# KiCad board paws60.kicad_pcb (continued)
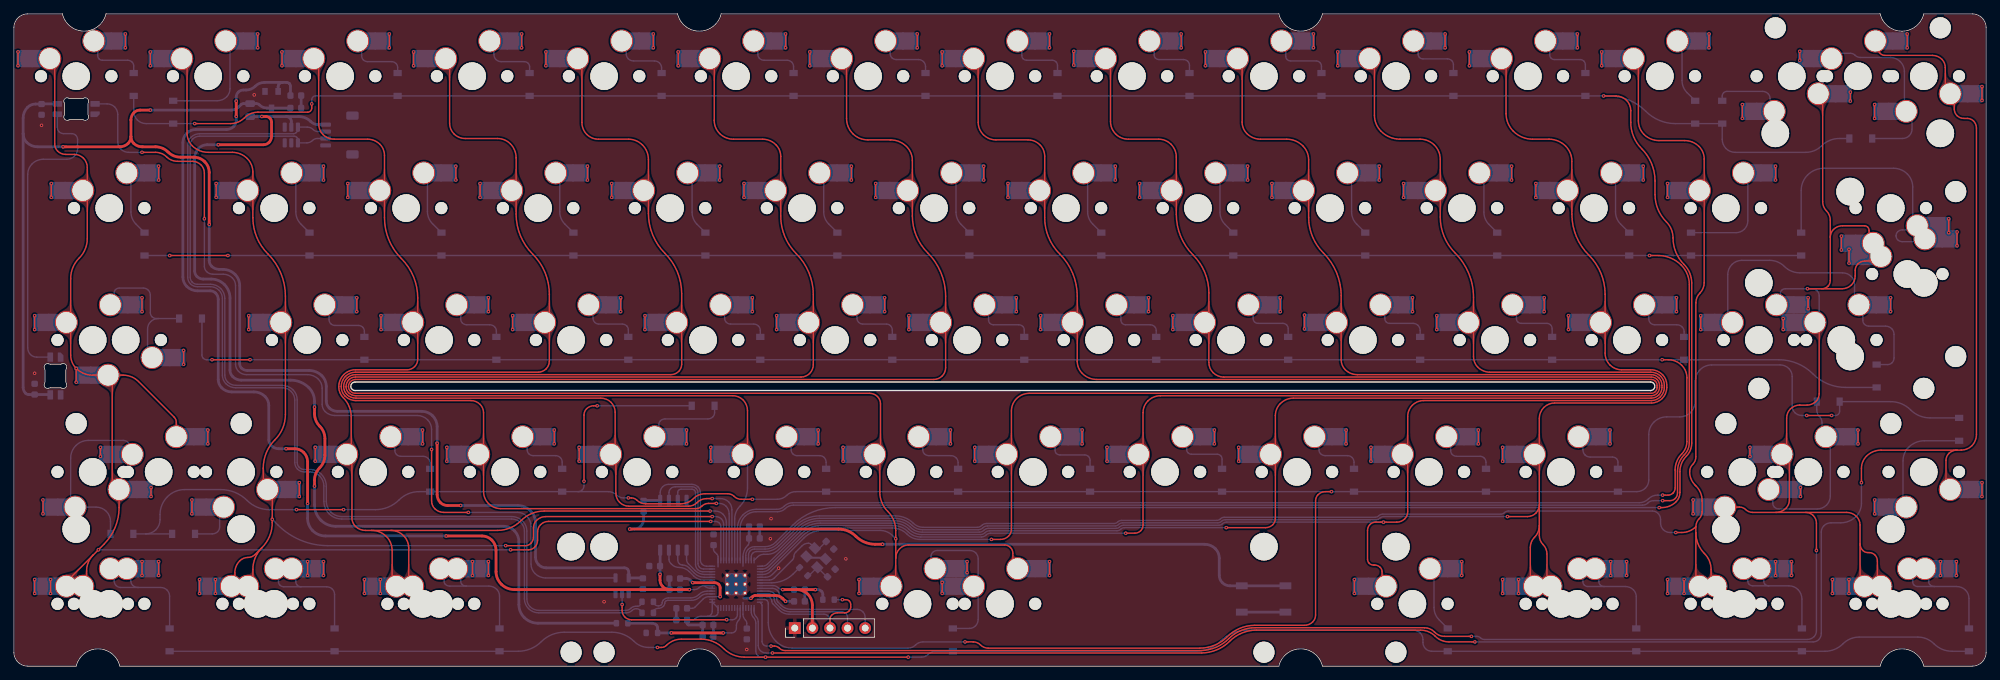
[diagram p0: board, top side]
## Copper pours and planes (outline as drawn; the poured copper is in the pictures) (continued)
Net-(D5-A) on Bottom: 88.5,88.39 88.53,88.66 88.62,88.84 88.75,88.97 88.9,89.11 89.07,89.31 87.74,90.28 87.23,88.71 87.53,88.67 87.81,88.69 88.06,88.7 88.23,88.63 88.3,88.39
Net-(D6-A) on Bottom: 107.5,88.31 107.54,88.6 107.63,88.8 107.77,88.94 107.94,89.1 108.12,89.31 106.79,90.28 106.28,88.71 106.57,88.66 106.84,88.66 107.08,88.65 107.24,88.55 107.3,88.31
Net-(D7-A) on Bottom: 126.6,88.45 126.63,88.7 126.72,88.86 126.85,88.99 127.01,89.12 127.17,89.31 125.84,90.28 125.33,88.71 125.62,88.68 125.91,88.71 126.16,88.73 126.33,88.67 126.4,88.45
Net-(D8-A) on Bottom: 145.6,88.17 145.63,88.49 145.72,88.71 145.86,88.89 146.03,89.07 146.22,89.31 144.89,90.28 143.92,88.95 144.31,88.77 144.71,88.72 145.06,88.67 145.3,88.53 145.4,88.17
Net-(D9-A) on Bottom: 164.7,88.27 164.73,88.56 164.81,88.77 164.94,88.93 165.09,89.09 165.27,89.31 163.94,90.28 163.43,88.71 163.73,88.66 164.02,88.65 164.27,88.63 164.44,88.52 164.5,88.27
Net-(D10-A) on Bottom: 183.7,88.06 183.76,88.52 183.93,88.84 184.14,89.09 184.37,89.37 184.56,89.77 182.99,90.28 182.02,88.95 182.42,88.76 182.81,88.68 183.16,88.61 183.41,88.44 183.5,88.06
Net-(D11-A) on Bottom: 202.8,88.37 202.83,88.64 202.92,88.82 203.05,88.97 203.2,89.11 203.37,89.31 202.04,90.28 201.53,88.71 201.83,88.67 202.11,88.69 202.36,88.69 202.53,88.61 202.6,88.37
Net-(D12-A) on Bottom: 221.8,88.27 221.83,88.57 221.93,88.77 222.07,88.93 222.24,89.09 222.42,89.31 221.09,90.28 220.58,88.71 220.87,88.66 221.14,88.65 221.38,88.62 221.54,88.52 221.6,88.27
Net-(D13-A) on Bottom: 240.9,87.14 240.95,87.83 241.07,88.32 241.26,88.73 241.48,89.17 241.71,89.77 240.14,90.28 238.81,89.3 239.3,88.81 239.81,88.5 240.26,88.22 240.58,87.81 240.7,87.14
Net-(D14-A) on Bottom: 253.4,82.02 253.36,81.75 253.27,81.57 253.12,81.43 252.95,81.29 252.78,81.09 254.11,80.12 254.62,81.69 254.34,81.73 254.06,81.71 253.83,81.71 253.66,81.79 253.6,82.02
Net-(D15-A) on Bottom: 265.11,88.6 264.52,88.64 264.1,88.76 263.76,88.92 263.38,89.11 262.87,89.31 262.36,87.74 263.7,86.77 263.96,87.24 264.13,87.68 264.31,88.05 264.6,88.31 265.11,88.4
Net-(D15-A) on Bottom: 274.1,77.56 274.14,78.1 274.24,78.48 274.38,78.8 274.55,79.15 274.73,79.61 273.16,80.12 272.19,78.79 272.66,78.54 273.12,78.42 273.52,78.29 273.8,78.04 273.9,77.56
Net-(D15-A) on Bottom: 272.8,83.38 272.72,82.65 272.51,82.15 272.22,81.74 271.91,81.29 271.61,80.67 273.16,80.12 274.49,81.09 274.06,81.58 273.66,81.93 273.32,82.27 273.09,82.71 273,83.38
Net-(D16-A) on Bottom: 17,68.06 17.05,68.76 17.19,69.25 17.4,69.67 17.63,70.12 17.87,70.72 16.3,71.23 14.97,70.26 15.45,69.77 15.94,69.44 16.37,69.15 16.68,68.73 16.8,68.06
Net-(D17-A) on Bottom: 40.8,68.05 40.85,68.75 41,69.25 41.2,69.66 41.44,70.11 41.68,70.72 40.12,71.23 38.78,70.26 39.26,69.77 39.75,69.44 40.18,69.14 40.48,68.73 40.6,68.05
Net-(D18-A) on Bottom: 59.8,68.02 59.86,68.73 60.01,69.24 60.23,69.65 60.48,70.11 60.73,70.72 59.17,71.23 57.83,70.26 58.3,69.76 58.78,69.43 59.2,69.13 59.49,68.7 59.6,68.02
Net-(D19-A) on Bottom: 78.9,68.05 78.95,68.75 79.1,69.25 79.3,69.66 79.54,70.11 79.78,70.72 78.22,71.23 76.88,70.26 77.36,69.77 77.85,69.44 78.28,69.14 78.58,68.73 78.7,68.05
Net-(D20-A) on Bottom: 98,68.07 98.05,68.77 98.18,69.26 98.37,69.67 98.6,70.12 98.83,70.72 97.27,71.23 95.93,70.26 96.42,69.77 96.92,69.45 97.36,69.16 97.68,68.75 97.8,68.07
Net-(D21-A) on Bottom: 117,68.05 117.05,68.75 117.2,69.25 117.4,69.66 117.64,70.11 117.88,70.72 116.32,71.23 114.98,70.26 115.46,69.77 115.95,69.44 116.38,69.14 116.68,68.73 116.8,68.05
Net-(D22-A) on Bottom: 136.1,68.07 136.15,68.77 136.28,69.26 136.47,69.67 136.7,70.12 136.93,70.72 135.37,71.23 134.03,70.26 134.52,69.77 135.02,69.45 135.46,69.16 135.78,68.75 135.9,68.07
Net-(D23-A) on Bottom: 155.1,68.05 155.15,68.75 155.3,69.25 155.5,69.66 155.74,70.11 155.98,70.72 154.42,71.23 153.08,70.26 153.56,69.77 154.05,69.44 154.48,69.14 154.78,68.73 154.9,68.05
Net-(D24-A) on Bottom: 174.2,68.07 174.25,68.77 174.38,69.26 174.57,69.67 174.8,70.12 175.03,70.72 173.47,71.23 172.13,70.26 172.62,69.77 173.12,69.45 173.56,69.16 173.88,68.75 174,68.07
Net-(D25-A) on Bottom: 193.2,68.05 193.25,68.75 193.4,69.25 193.6,69.66 193.84,70.11 194.08,70.72 192.52,71.23 191.18,70.26 191.66,69.77 192.15,69.44 192.58,69.14 192.88,68.73 193,68.05
Net-(D26-A) on Bottom: 212.3,68.07 212.35,68.77 212.48,69.26 212.67,69.67 212.9,70.12 213.13,70.72 211.57,71.23 210.23,70.26 210.72,69.77 211.22,69.45 211.66,69.16 211.98,68.75 212.1,68.07
Net-(D27-A) on Bottom: 231.3,68.05 231.35,68.75 231.5,69.25 231.7,69.66 231.94,70.11 232.18,70.72 230.62,71.23 229.28,70.26 229.76,69.77 230.25,69.44 230.68,69.14 230.98,68.73 231.1,68.05
Net-(D28-A) on Bottom: 250.4,68.07 250.45,68.77 250.58,69.26 250.77,69.67 251,70.12 251.23,70.72 249.67,71.23 248.33,70.26 248.82,69.77 249.32,69.45 249.76,69.16 250.08,68.75 250.2,68.07
Net-(D29-A) on Bottom: 274,66.76 273.95,66.07 273.82,65.57 273.63,65.16 273.41,64.72 273.18,64.12 274.75,63.61 276.08,64.58 275.59,65.07 275.09,65.39 274.64,65.67 274.32,66.08 274.2,66.76
Net-(D29-A) on Bottom: 272.59,62.9 272.92,62.87 273.15,62.78 273.34,62.65 273.53,62.48 273.78,62.28 274.75,63.61 273.41,64.58 273.24,64.19 273.17,63.79 273.11,63.44 272.95,63.19 272.59,63.1
Net-(D29-A) on Bottom: 272.62,61.2 273.35,61.13 273.85,60.94 274.27,60.69 274.72,60.4 275.35,60.14 275.86,61.71 274.89,63.04 274.4,62.58 274.05,62.14 273.73,61.76 273.3,61.5 272.62,61.4
Net-(D30-A) on Bottom: 19.2,47.71 19.15,47.02 19.02,46.52 18.84,46.11 18.62,45.67 18.38,45.07 19.95,44.56 21.28,45.54 20.79,46.02 20.29,46.34 19.84,46.62 19.52,47.03 19.4,47.71
Net-(D30-A) on Bottom: 14.4,53.96 14.34,53.76 14.18,53.71 13.95,53.74 13.68,53.78 13.41,53.75 13.92,52.18 15.26,53.15 15.08,53.33 14.91,53.45 14.75,53.56 14.64,53.71 14.6,53.96
Net-(D31-A) on Bottom: 45.6,50.04 45.63,50.37 45.71,50.6 45.85,50.78 46.01,50.97 46.21,51.21 44.88,52.18 43.91,50.85 44.3,50.67 44.7,50.61 45.05,50.56 45.3,50.41 45.4,50.04
Net-(D32-A) on Bottom: 64.6,50.13 64.64,50.44 64.74,50.65 64.88,50.81 65.06,50.98 65.26,51.21 63.93,52.18 63.42,50.61 63.7,50.55 63.97,50.53 64.19,50.49 64.34,50.37 64.4,50.13
Net-(D33-A) on Bottom: 83.7,50.26 83.73,50.54 83.83,50.72 83.97,50.86 84.13,51.01 84.31,51.21 82.98,52.18 82.47,50.61 82.75,50.57 83.03,50.58 83.27,50.58 83.44,50.5 83.5,50.26
Net-(D34-A) on Bottom: 102.7,50.24 102.74,50.53 102.84,50.71 102.99,50.85 103.17,51 103.36,51.21 102.03,52.18 101.52,50.61 101.79,50.57 102.06,50.57 102.28,50.56 102.44,50.47 102.5,50.24
Net-(D35-A) on Bottom: 121.8,50.25 121.83,50.53 121.93,50.72 122.07,50.86 122.23,51.01 122.41,51.21 121.08,52.18 120.57,50.61 120.86,50.57 121.13,50.58 121.37,50.57 121.54,50.49 121.6,50.25
Net-(D36-A) on Bottom: 140.8,49.96 140.83,50.31 140.93,50.56 141.07,50.75 141.25,50.95 141.46,51.21 140.13,52.18 139.16,50.85 139.54,50.66 139.93,50.58 140.27,50.51 140.51,50.34 140.6,49.96
Net-(D37-A) on Bottom: 159.9,49.99 159.96,50.45 160.12,50.76 160.34,51 160.56,51.28 160.75,51.67 159.18,52.18 158.21,50.85 158.6,50.66 159,50.59 159.36,50.53 159.61,50.37 159.7,49.99
Net-(D38-A) on Bottom: 179,50.16 179.03,50.46 179.11,50.66 179.23,50.82 179.38,50.99 179.56,51.21 178.23,52.18 177.72,50.61 178.02,50.56 178.32,50.55 178.56,50.52 178.74,50.42 178.8,50.16
Net-(D39-A) on Bottom: 198,50.18 198.03,50.48 198.12,50.68 198.26,50.83 198.43,50.99 198.61,51.21 197.28,52.18 196.77,50.61 197.06,50.56 197.34,50.55 197.57,50.53 197.74,50.43 197.8,50.18
Net-(D40-A) on Bottom: 217,50.15 217.04,50.46 217.14,50.66 217.29,50.82 217.47,50.98 217.66,51.21 216.33,52.18 215.82,50.61 216.1,50.56 216.36,50.54 216.59,50.5 216.74,50.39 216.8,50.15
Net-(D41-A) on Bottom: 236.1,50.14 236.13,50.44 236.22,50.65 236.36,50.82 236.52,50.98 236.71,51.21 235.38,52.18 234.87,50.61 235.16,50.56 235.44,50.54 235.68,50.5 235.84,50.39 235.9,50.14
Net-(D42-A) on Bottom: 247.3,52.77 247.25,52.09 247.13,51.6 246.95,51.19 246.74,50.74 246.51,50.15 248.08,49.64 249.4,50.62 248.91,51.11 248.4,51.42 247.95,51.7 247.62,52.1 247.5,52.77
Net-(D42-A) on Bottom: 265.6,55.12 265.55,54.48 265.41,54.03 265.21,53.65 264.99,53.24 264.76,52.69 266.33,52.18 267.66,53.16 267.18,53.61 266.69,53.89 266.24,54.13 265.92,54.5 265.8,55.12
Net-(D42-A) on Bottom: 267,49.94 267.03,50.3 267.13,50.55 267.27,50.74 267.45,50.95 267.67,51.21 266.33,52.18 265.36,50.85 265.75,50.66 266.14,50.58 266.47,50.5 266.71,50.32 266.8,49.94
Net-(D43-A) on Bottom: 11.86,23.07 11.27,23.14 10.88,23.32 10.57,23.6 10.25,23.93 9.81,24.3 8.84,22.97 9.81,21.64 10.25,22.01 10.57,22.34 10.88,22.62 11.27,22.8 11.86,22.87
Net-(D43-A) on Bottom: 16.42,32.24 16.51,32.07 16.41,31.95 16.2,31.85 15.96,31.73 15.76,31.56 17.1,30.59 17.61,32.16 17.36,32.2 17.15,32.19 16.96,32.18 16.77,32.22 16.56,32.38
Net-(D43-A) on Bottom: 8.1,26.12 8.05,25.43 7.92,24.94 7.73,24.53 7.51,24.08 7.27,23.48 8.84,22.97 10.17,23.94 9.69,24.43 9.18,24.75 8.74,25.04 8.42,25.44 8.3,26.12
Net-(D44-A) on Bottom: 29.8,20.09 29.92,20.71 30.24,21.06 30.67,21.29 31.15,21.56 31.61,22 30.27,22.97 28.7,22.46 28.93,21.92 29.17,21.52 29.39,21.16 29.54,20.72 29.6,20.09
Net-(D45-A) on Bottom: 55.1,31.13 55.14,31.43 55.23,31.63 55.37,31.78 55.55,31.94 55.74,32.16 54.4,33.13 53.89,31.56 54.18,31.51 54.45,31.5 54.68,31.47 54.84,31.37 54.9,31.13
Net-(D46-A) on Bottom: 74.2,31.24 74.23,31.5 74.32,31.68 74.46,31.82 74.61,31.96 74.79,32.16 73.45,33.13 72.94,31.56 73.24,31.52 73.52,31.54 73.76,31.54 73.94,31.47 74,31.24
Net-(D47-A) on Bottom: 93,34.88 92.94,34.68 92.77,34.64 92.27,34.72 91.99,34.7 92.5,33.13 93.84,34.1 93.67,34.27 93.5,34.39 93.35,34.49 93.24,34.64 93.2,34.88
Net-(D48-A) on Bottom: 112.3,31.26 112.33,31.52 112.42,31.69 112.56,31.83 112.72,31.97 112.89,32.16 111.55,33.13 111.04,31.56 111.33,31.52 111.62,31.55 111.86,31.56 112.04,31.49 112.1,31.26
Net-(D49-A) on Bottom: 131.3,31.23 131.34,31.5 131.44,31.68 131.58,31.82 131.76,31.96 131.94,32.16 130.6,33.13 130.09,31.56 130.37,31.52 130.64,31.53 130.88,31.53 131.04,31.45 131.1,31.23
Net-(D50-A) on Bottom: 150.4,31.15 150.43,31.44 150.52,31.64 150.65,31.79 150.81,31.95 150.99,32.16 149.65,33.13 149.14,31.56 149.44,31.51 149.73,31.51 149.97,31.5 150.14,31.4 150.2,31.15
Net-(D51-A) on Bottom: 169.4,31.26 169.44,31.52 169.54,31.7 169.69,31.83 169.86,31.96 170.04,32.16 168.7,33.13 168.19,31.56 168.47,31.52 168.74,31.54 168.98,31.55 169.14,31.48 169.2,31.26
Net-(D52-A) on Bottom: 188.5,31.22 188.53,31.49 188.62,31.67 188.75,31.81 188.91,31.96 189.09,32.16 187.75,33.13 187.24,31.56 187.54,31.52 187.82,31.53 188.07,31.54 188.24,31.45 188.3,31.22
Net-(D53-A) on Bottom: 207.5,31.13 207.54,31.43 207.63,31.63 207.77,31.78 207.95,31.94 208.14,32.16 206.8,33.13 206.29,31.56 206.58,31.51 206.85,31.5 207.08,31.48 207.24,31.37 207.3,31.13
Net-(D54-A) on Bottom: 226.6,31.21 226.63,31.49 226.72,31.67 226.85,31.81 227.01,31.96 227.19,32.16 225.85,33.13 225.34,31.56 225.64,31.52 225.92,31.53 226.17,31.53 226.34,31.45 226.4,31.21
Net-(D55-A) on Bottom: 260.9,35.21 260.86,34.89 260.77,34.67 260.62,34.51 260.44,34.33 260.24,34.1 261.57,33.13 262.54,34.46 262.16,34.63 261.78,34.68 261.44,34.72 261.19,34.86 261.1,35.21
Net-(D55-A) on Bottom: 262.3,29.97 262.35,30.67 262.48,31.16 262.68,31.57 262.9,32.02 263.14,32.62 261.57,33.13 260.24,32.16 260.72,31.67 261.22,31.35 261.66,31.06 261.98,30.65 262.1,29.97
Net-(D55-A) on Bottom: 254,23.53 254.04,23.83 254.14,24.02 254.28,24.17 254.46,24.32 254.65,24.54 253.32,25.51 252.81,23.94 253.09,23.89 253.36,23.89 253.58,23.87 253.74,23.77 253.8,23.53
Net-(D56-A) on Bottom: 272.6,26.2 272.53,25.48 272.36,24.97 272.12,24.56 271.85,24.1 271.59,23.48 273.16,22.97 274.49,23.94 274.03,24.44 273.57,24.77 273.18,25.09 272.9,25.52 272.8,26.2
Net-(D57-A) on Bottom: 14.6,12.26 14.64,12.52 14.75,12.68 14.9,12.8 15.08,12.92 15.26,13.11 13.92,14.08 13.41,12.51 13.68,12.48 13.95,12.51 14.18,12.53 14.34,12.47 14.4,12.26
Net-(D57-A) on Bottom: 17,12.27 17.04,12.52 17.14,12.68 17.29,12.8 17.46,12.93 17.64,13.11 16.3,14.08 15.79,12.51 16.07,12.48 16.34,12.51 16.57,12.54 16.74,12.48 16.8,12.27
Net-(D57-A) on Bottom: 17,12.27 17.22,12.46 17.45,12.61 17.67,12.72 17.9,12.79 18.12,12.83 17.47,14.08 16.27,12.9 16.38,12.83 16.48,12.72 16.59,12.6 16.69,12.45 16.8,12.27
Net-(D57-A) on Bottom: 17,13.16 16.91,13.34 16.82,13.56 16.73,13.83 16.64,14.13 16.55,14.48 15.72,14.08 16.55,12.83 16.6,12.92 16.65,13 16.7,13.06 16.75,13.12 16.8,13.16
Net-(D58-A) on Bottom: 38.3,12.18 38.35,12.47 38.48,12.64 38.66,12.77 38.87,12.9 39.07,13.11 37.73,14.08 37.22,12.51 37.47,12.47 37.71,12.47 37.91,12.46 38.05,12.38 38.1,12.18
Net-(D58-A) on Bottom: 40.8,12.21 41.03,12.41 41.26,12.57 41.48,12.7 41.71,12.78 41.94,12.83 41.28,14.08 40.08,12.9 40.19,12.82 40.29,12.7 40.39,12.56 40.5,12.4 40.6,12.21
Net-(D58-A) on Bottom: 40.8,13.15 40.71,13.33 40.62,13.56 40.54,13.82 40.45,14.13 40.36,14.48 39.53,14.08 40.36,12.83 40.41,12.92 40.46,13 40.5,13.06 40.55,13.11 40.6,13.15
Net-(D58-A) on Bottom: 40.8,12.21 40.84,12.48 40.94,12.65 41.09,12.78 41.27,12.91 41.45,13.11 40.12,14.08 39.61,12.51 39.88,12.47 40.15,12.49 40.38,12.5 40.54,12.42 40.6,12.21
Net-(D59-A) on Bottom: 64.6,13.15 64.51,13.33 64.43,13.55 64.34,13.82 64.26,14.13 64.17,14.47 63.35,14.08 64.17,12.83 64.22,12.92 64.26,12.99 64.31,13.06 64.35,13.11 64.4,13.15
Net-(D59-A) on Bottom: 62.2,12.26 62.24,12.52 62.36,12.68 62.52,12.79 62.7,12.92 62.88,13.11 61.55,14.08 61.04,12.51 61.3,12.48 61.56,12.5 61.78,12.52 61.94,12.46 62,12.26
Net-(D59-A) on Bottom: 64.6,12.28 64.83,12.47 65.05,12.62 65.28,12.73 65.51,12.8 65.73,12.83 65.1,14.08 63.89,12.9 64,12.83 64.1,12.73 64.2,12.6 64.3,12.46 64.4,12.28
Net-(D59-A) on Bottom: 64.6,12.28 64.64,12.54 64.75,12.69 64.91,12.8 65.09,12.93 65.26,13.11 63.93,14.08 63.42,12.51 63.69,12.48 63.95,12.52 64.18,12.54 64.34,12.49 64.4,12.28
Net-(D60-A) on Bottom: 139.1,14.68 138.98,14.01 138.66,13.6 138.21,13.32 137.7,13.01 137.21,12.52 138.54,11.54 140.11,12.05 139.88,12.65 139.66,13.09 139.47,13.5 139.35,13.99 139.3,14.68
Net-(D60-A) on Bottom: 139.3,8.4 139.35,9.09 139.47,9.58 139.66,9.99 139.88,10.43 140.11,11.03 138.54,11.54 137.21,10.56 137.7,10.07 138.21,9.76 138.66,9.48 138.98,9.07 139.1,8.4
Net-(D60-A) on Bottom: 132.3,15.88 132.26,15.63 132.15,15.47 132,15.36 131.82,15.23 131.65,15.05 132.98,14.08 133.49,15.65 133.22,15.68 132.95,15.65 132.72,15.62 132.56,15.68 132.5,15.88
Net-(D61-A) on Bottom: 205.1,10.9 205.15,11.6 205.3,12.1 205.51,12.51 205.75,12.96 205.99,13.57 204.42,14.08 203.09,13.11 203.57,12.62 204.05,12.29 204.48,11.99 204.78,11.58 204.9,10.9
Net-(D62-A) on Bottom: 228.9,12.19 229.13,12.4 229.36,12.57 229.59,12.69 229.82,12.78 230.05,12.83 229.4,14.08 228.2,12.9 228.3,12.81 228.4,12.7 228.5,12.56 228.6,12.39 228.7,12.19
Net-(D62-A) on Bottom: 228.9,13.14 228.82,13.33 228.73,13.55 228.65,13.82 228.56,14.12 228.48,14.47 227.65,14.08 228.48,12.83 228.52,12.92 228.57,12.99 228.61,13.05 228.66,13.1 228.7,13.14
Net-(D62-A) on Bottom: 226.6,12.17 226.63,12.44 226.72,12.63 226.85,12.76 227.01,12.91 227.19,13.11 225.85,14.08 225.34,12.51 225.64,12.47 225.92,12.48 226.17,12.49 226.34,12.41 226.4,12.17
Net-(D62-A) on Bottom: 228.9,12.19 228.94,12.47 229.05,12.64 229.2,12.77 229.38,12.91 229.57,13.11 228.23,14.08 227.72,12.51 227.99,12.47 228.26,12.48 228.48,12.49 228.64,12.41 228.7,12.19
Net-(D63-A) on Bottom: 252.7,12.23 252.93,12.43 253.16,12.59 253.39,12.71 253.62,12.79 253.85,12.83 253.22,14.08 252.01,12.9 252.11,12.82 252.21,12.71 252.31,12.57 252.4,12.42 252.5,12.23
Net-(D63-A) on Bottom: 252.7,12.23 252.74,12.5 252.85,12.66 253.01,12.79 253.2,12.92 253.38,13.11 252.05,14.08 251.54,12.51 251.8,12.48 252.06,12.5 252.28,12.51 252.44,12.44 252.5,12.23
Net-(D63-A) on Bottom: 252.7,13.14 252.62,13.32 252.54,13.55 252.45,13.81 252.37,14.12 252.29,14.47 251.47,14.08 252.29,12.83 252.33,12.91 252.37,12.99 252.42,13.05 252.46,13.1 252.5,13.14
Net-(D63-A) on Bottom: 250.4,12.26 250.44,12.51 250.53,12.67 250.67,12.8 250.83,12.93 251,13.11 249.67,14.08 249.16,12.51 249.44,12.48 249.72,12.51 249.97,12.54 250.14,12.48 250.2,12.26
Net-(D64-A) on Bottom: 276.5,12.22 276.73,12.42 276.96,12.58 277.2,12.7 277.43,12.79 277.66,12.83 277.03,14.08 275.83,12.9 275.92,12.82 276.02,12.7 276.11,12.57 276.21,12.4 276.3,12.22
Net-(D64-A) on Bottom: 276.5,12.22 276.54,12.49 276.66,12.66 276.82,12.78 277.01,12.91 277.19,13.11 275.86,14.08 275.35,12.51 275.61,12.47 275.87,12.49 276.09,12.49 276.24,12.42 276.3,12.22
Net-(D64-A) on Bottom: 276.5,13.13 276.42,13.32 276.34,13.54 276.26,13.81 276.18,14.12 276.1,14.46 275.28,14.08 276.1,12.83 276.14,12.91 276.18,12.98 276.22,13.05 276.26,13.1 276.3,13.13
Net-(D64-A) on Bottom: 274.2,12.16 274.23,12.44 274.33,12.62 274.47,12.76 274.63,12.91 274.81,13.11 273.48,14.08 272.97,12.51 273.25,12.47 273.53,12.48 273.77,12.48 273.94,12.39 274,12.16

Small or netless copper shapes (teardrops, artwork), in the pictures only: 394 on Top, 266 on Bottom

## Text on the board
F.Mask: 肉球60 | Rev 2 © HorrorTroll 2022 | Paws60 | ________________
